# Altium PCB Pannel3.5x2 Ver0.1.PcbDoc (part 4 of 4)
Units mil, origin at the board's own origin, x right, y up, seen from the top; angles counter-clockwise.
Board outline 4133.86 x 2283.46 mil, 4 copper layers (SIGNAL, GROUND, PWR, SIGNAL (Bottom)), stack 61.627 mil thick; 218 components, 165 nets, 799 pads, 640 vias.
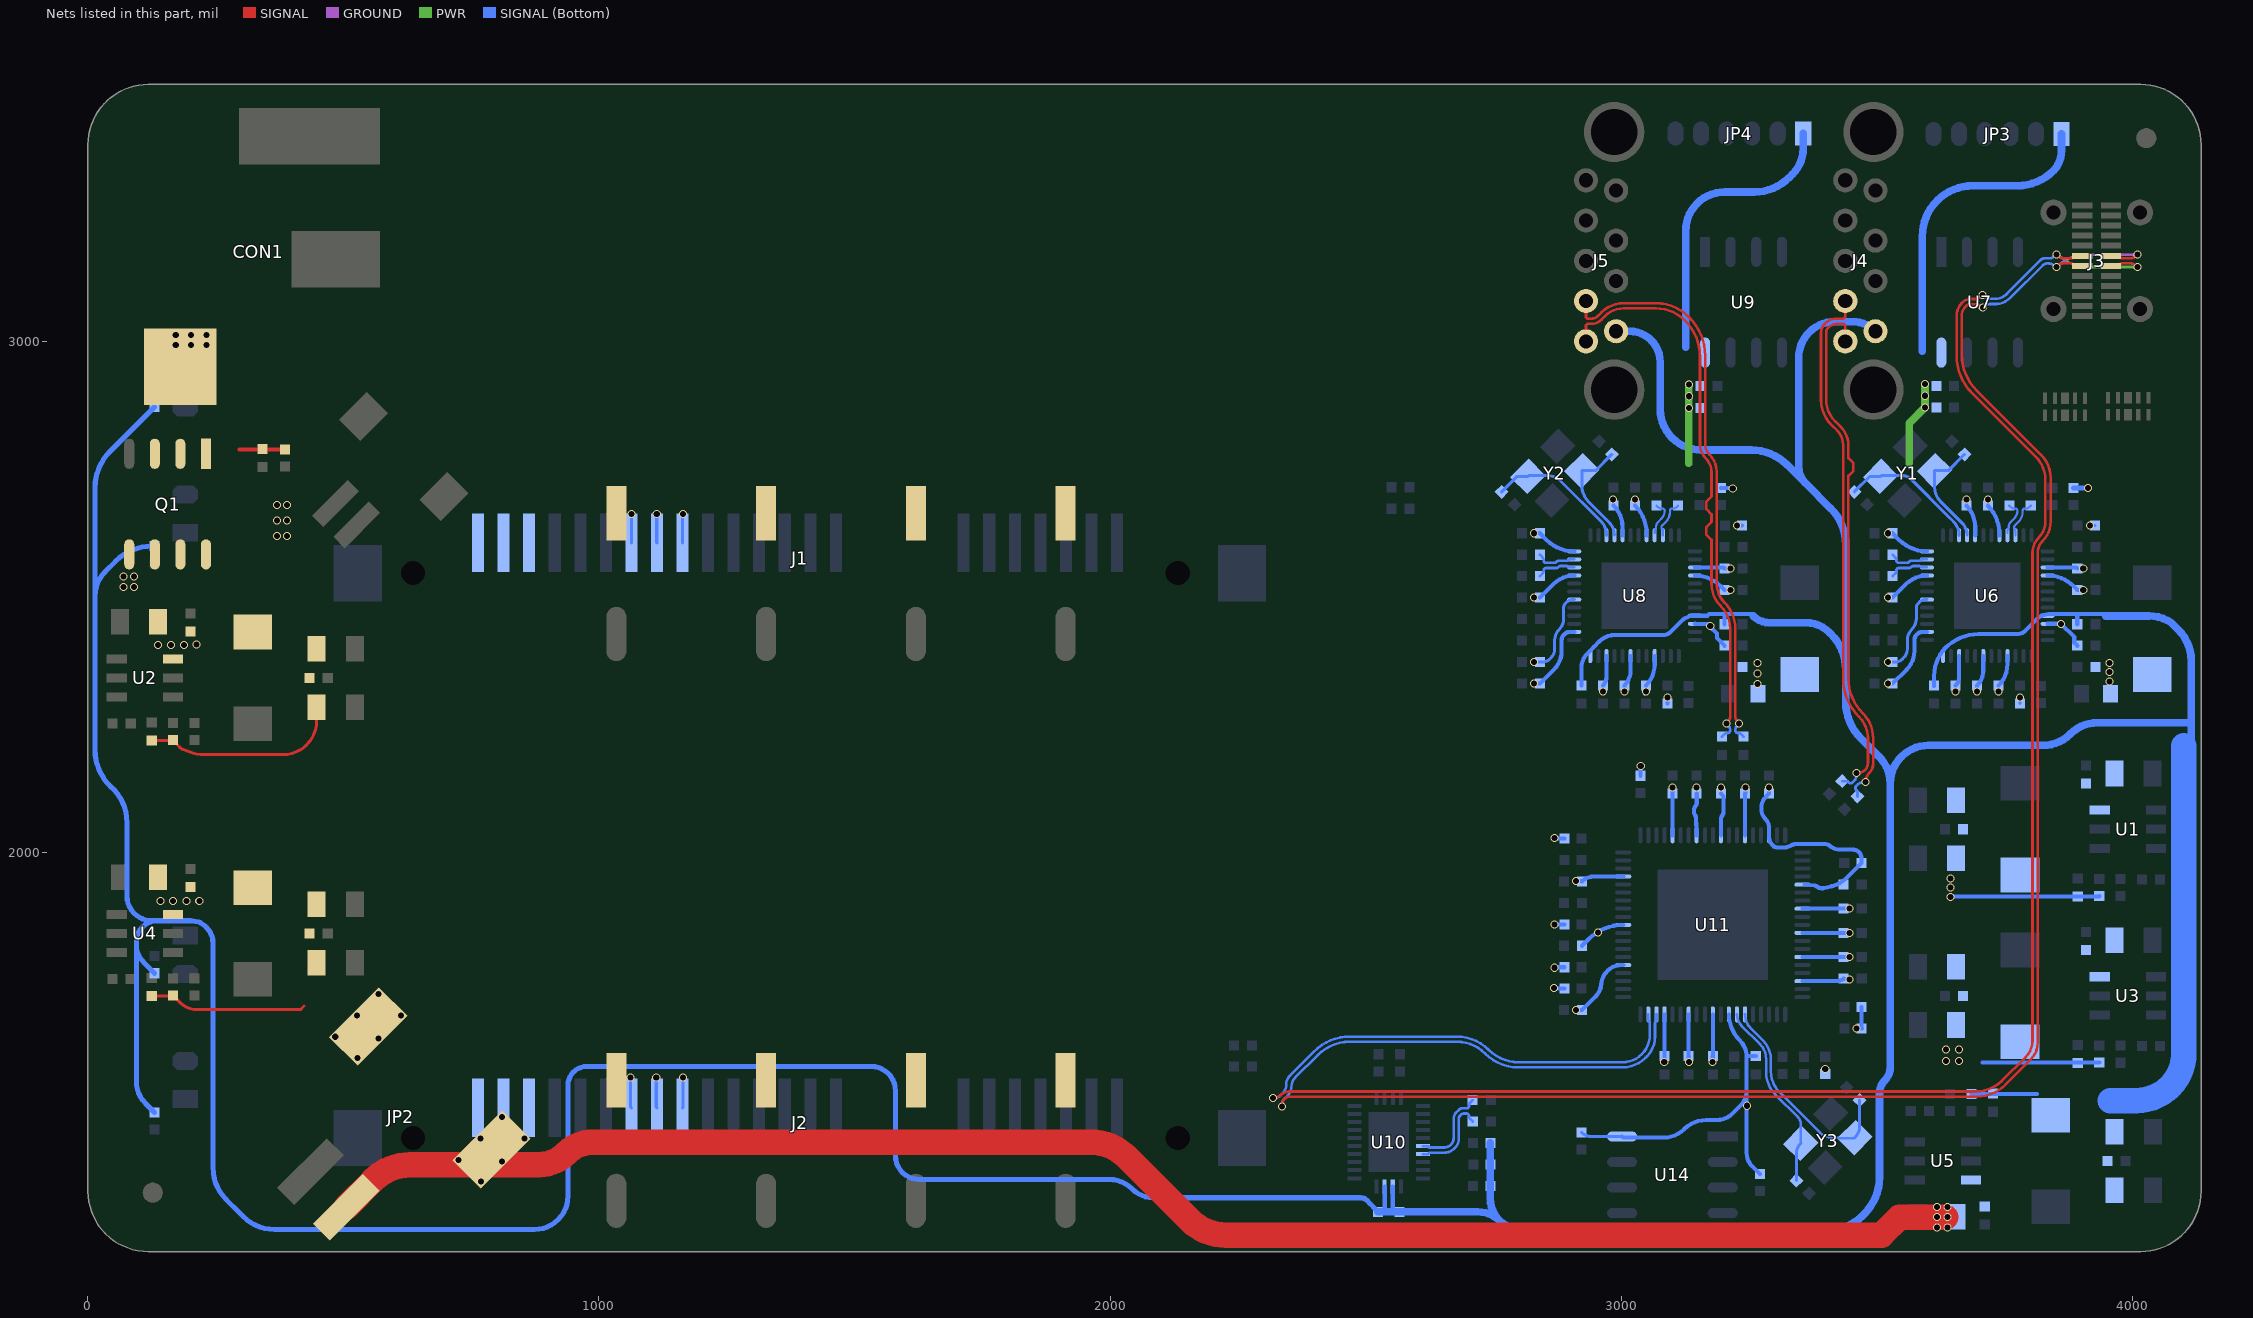
[diagram p6: the nets of this part, all layers, seen from the top]

## Via types
v1: diameter 15.75, hole 11.81, SIGNAL to SIGNAL (Bottom), tented both sides, 640 vias

## Nets (pads, with @x,y where several pads share a name; then routed paths per layer and width w, separated by ;. In a path a pad name is that pad's centre, name@x,y a point inside that pad or via, vN(x,y) a via of type N, cw(c..) or ccw(c..) an arc to the next point about the centre after c; other vN are vias at no path point) (continued)
SSTX1_N: C93.1 U8.22 | length 78.1
  SIGNAL (Bottom) w5.1: C93.1@2840.72,2541 2845.5,2545.78 ccw(c2839.42,2551.85) 2848.01,2551.85 cw(c2853.11,2551.85) 2849.51,2555.46 cw(c2853.11,2551.85) 2853.11,2556.95 2872.26,2556.95 ccw(c2872.26,2563.77) 2877.08,2558.95 cw(c2881.9,2554.13) 2881.9,2560.94 2892.48,2560.94 cw(c2892.48,2556.12) 2895.88,2559.53 ccw(c2899.29,2562.94) 2899.29,2558.12 U8.22@2907.89,2558.12
SSTX1_P: C92.1 U8.23 | length 78.1
  SIGNAL (Bottom) w5.1: C92.1@2840.72,2583 2845.5,2578.22 cw(c2839.42,2572.15) 2848.01,2572.15 ccw(c2853.11,2572.15) 2849.51,2568.54 ccw(c2853.11,2572.15) 2853.11,2567.05 2868.08,2567.05 ccw(c2868.08,2573.87) 2872.9,2569.05 cw(c2877.72,2564.23) 2877.72,2571.04 2892.48,2571.04 ccw(c2892.48,2575.86) 2895.88,2572.45 cw(c2899.29,2569.05) 2899.29,2573.87 U8.23@2907.89,2573.87
SSTX2_N: C97.1 J5.8 | length 1103.4
  SIGNAL w5.1: J5.8@2930.9,3079.3 2930.9,3047.94 2933.89,3044.95 2941.44,3044.95 ccw(c2941.44,3063.18) 2954.31,3050.28 2961.24,3057.21 cw(c3004.53,3013.8) 3004.53,3075.1 3067.55,3075.1 cw(c3067.55,2984.48) 3131.62,3048.56 3132.89,3047.3 cw(c3057.77,2972.18) 3132.92,3047.26 cw(c3057.77,2972.18) 3164,2972.18 3164,2799.19 ccw(c3192.75,2799.19) 3172.4,2778.88 ; 3172.42,2778.86 cw(c3138.24,2744.68) 3186.58,2744.68 3186.58,2526.48 ccw(c3239.14,2526.48) 3201.96,2489.33 ; 3201.98,2489.31 cw(c3151.1,2438.43) 3223.05,2438.43 3223.05,2266.37 ccw(c3235.26,2266.37) 3226.63,2257.73 v1@3229.39,2254.97 ; v1@3229.39,2254.97 cw(c3227.41,2253) v1(3230.2,2253)
  SIGNAL (Bottom) w5.1: v1@3226.63,2248.27 ccw(c3235.26,2239.63) 3223.05,2239.63 3223.05,2239.39 ccw(c3228.15,2239.39) 3224.54,2235.79 ccw(c3228.15,2239.39) 3228.15,2234.29 3228.87,2234.29 cw(c3228.87,2227.45) 3233.7,2232.3 C97.1@3239,2227
SSTX2_P: C96.1 J5.9 | length 1103.9
  SIGNAL w5.1: J5.9@2930.9,3000.5 2930.9,3031.86 2933.89,3034.85 2941.49,3034.85 ccw(c2941.49,3063.05) 2961.43,3043.11 2968.24,3049.93 cw(c3004.64,3013.53) 3004.64,3065 3067.37,3065 cw(c3067.37,2984.05) 3124.61,3041.29 cw(c3053.9,2970.58) 3153.9,2970.58 3153.9,2799.07 ccw(c3192.44,2799.07) 3165.19,2771.81 cw(c3137.93,2744.56) 3176.48,2744.56 3176.48,2712 3176.48,2697 3166.48,2687 3166.48,2672 3176.48,2662 3176.48,2647 3166.48,2637 3166.48,2622 3176.48,2612 3176.48,2552 3176.48,2526.31 ccw(c3238.74,2526.31) 3194.69,2482.31 ; 3194.74,2482.26 cw(c3150.69,2438.26) 3212.95,2438.26 3212.95,2266.37 cw(c3200.74,2266.37) 3209.37,2257.73 v1@3206.61,2254.97 ; v1(3205.8,2253) cw(c3208.59,2253) v1@3206.61,2254.97
  SIGNAL (Bottom) w5.1: C96.1@3197,2227 3202.3,2232.3 cw(c3207.13,2227.45) 3207.13,2234.29 3207.85,2234.29 ccw(c3207.85,2239.39) 3211.46,2235.79 ccw(c3207.85,2239.39) 3212.95,2239.39 3212.95,2239.63 ccw(c3200.74,2239.63) v1@3209.37,2248.27
SSTX3_N: C100.1 J4.9 | length 1032.8
  SIGNAL w5.1: 3418.07,2844.21 cw(c3460.16,2886.28) 3400.65,2886.28 3400.65,3017.54 cw(c3413.8,3017.54) 3404.5,3026.83 cw(c3423.85,3007.49) 3423.85,3034.85 3433.08,3034.85 cw(c3433.08,3029.75) 3436.68,3033.36 cw(c3433.08,3029.75) 3438.18,3029.75 J4.9@3438.18,3000.5 ; 3418.08,2844.2 3429.65,2832.64 cw(c3394.76,2797.75) 3444.1,2797.75 3444.1,2787 3444.1,2772 3454.1,2762 3454.1,2747 3444.1,2737 3444.1,2679.5 3444.1,2340.89 ccw(c3539.97,2340.89) 3472.18,2273.1 cw(c3422.63,2223.56) 3492.7,2223.56 3492.7,2174.76 cw(c3465.67,2174.76) 3484.83,2155.69 cw(c3465.67,2174.76) 3484.78,2155.64 ccw(c3500.08,2140.34) 3478.45,2140.34 cw(c3475.66,2140.34) v1(3477.63,2138.37)
  SIGNAL (Bottom) w5.1: 3459.97,2122.45 cw(c3454.95,2117.43) 3462.05,2117.43 C100.1@3462.05,2110.05 ; 3459.97,2122.45 3459.39,2123.03 cw(c3462.99,2126.64) 3457.89,2126.64 cw(c3462.99,2126.64) 3459.39,2130.25 3463.12,2133.97 cw(c3471.75,2125.34) v1@3471.75,2137.55
SSTX3_P: C98.1 J4.8 | length 1032.6
  SIGNAL w5.1: 3397.32,3033.93 ccw(c3413.7,3017.58) 3390.55,3017.65 ccw(c3413.7,3017.58) 3390.55,3017.58 3390.55,2886.21 ccw(c3459.99,2886.21) 3410.89,2837.11 3422.45,2825.55 cw(c3394.55,2797.66) 3434,2797.66 3434,2340.84 ccw(c3539.84,2340.84) 3464.97,2266.03 ; 3397.33,3033.95 3398.84,3035.46 cw(c3421.76,3012.54) 3421.76,3044.95 3433.08,3044.95 ccw(c3433.08,3050.05) 3436.68,3046.44 ccw(c3433.08,3050.05) 3438.18,3050.05 J4.8@3438.18,3079.3 ; v1(3460.37,2155.63) cw(c3462.34,2153.66) 3462.34,2156.45 3463.32,2156.45 ccw(c3463.32,2175.73) 3476.92,2162.06 ccw(c3463.32,2175.73) 3476.95,2162.1 ; 3465,2266 cw(c3422.5,2223.5) 3482.6,2223.5 3482.6,2175.73 cw(c3463.32,2175.73) 3476.99,2162.13
  SIGNAL (Bottom) w5.1: C98.1@3432.05,2140.05 3439.43,2140.05 cw(c3439.43,2132.95) 3444.45,2137.97 ; 3444.45,2137.97 3445.04,2137.38 ccw(c3448.64,2140.99) 3448.64,2135.89 ccw(c3448.64,2140.99) 3452.24,2137.38 3455.98,2141.12 ccw(c3447.34,2149.75) v1@3459.55,2149.75
SSTX4_N: C99.1 U6.22 | length 78.1
  SIGNAL (Bottom) w5.1: C99.1@3530.72,2541 3535.5,2545.78 ccw(c3529.42,2551.85) 3538.01,2551.85 cw(c3543.11,2551.85) 3539.51,2555.46 cw(c3543.11,2551.85) 3543.11,2556.95 3562.26,2556.95 ccw(c3562.26,2563.77) 3567.08,2558.95 cw(c3571.9,2554.13) 3571.9,2560.94 3582.48,2560.94 cw(c3582.48,2556.12) 3585.88,2559.53 ccw(c3589.29,2562.94) 3589.29,2558.12 U6.22@3597.89,2558.12
SSTX4_P: C101.1 U6.23 | length 78.1
  SIGNAL (Bottom) w5.1: C101.1@3530.72,2583 3535.5,2578.22 cw(c3529.42,2572.15) 3538.01,2572.15 ccw(c3543.11,2572.15) 3539.51,2568.54 ccw(c3543.11,2572.15) 3543.11,2567.05 3558.08,2567.05 ccw(c3558.08,2573.87) 3562.9,2569.05 cw(c3567.72,2564.23) 3567.72,2571.04 3582.48,2571.04 ccw(c3582.48,2575.86) 3585.88,2572.45 cw(c3589.29,2569.05) 3589.29,2573.87 U6.23@3597.89,2573.87
SSTX_N: C95.1 U10.21 | length 167.3
  SIGNAL (Bottom) w5.1: U10.21@2611.93,1410.37 2621.77,1410.37 2624.6,1413.19 2653.29,1413.19 ccw(c2653.29,1441.97) 2673.64,1421.62 2673.72,1421.7 ccw(c2653.44,1441.98) 2682.12,1441.98 2682.12,1479.98 cw(c2689.13,1479.98) 2684.17,1484.93 2686.67,1487.43 ; 2686.68,1487.44 cw(c2692.69,1481.4) 2692.69,1489.92 2697.02,1489.92 cw(c2697.02,1484.82) 2700.62,1488.43 cw(c2697.02,1484.82) 2702.12,1484.82 ccw(c2710.64,1484.82) 2704.6,1478.8 C95.1@2709.41,1474
SSTX_P: C94.1 U10.20 | length 167.1
  SIGNAL (Bottom) w5.1: U10.20@2611.93,1426.12 2621.77,1426.12 2624.6,1423.29 2653.26,1423.29 ccw(c2653.26,1442.06) 2666.52,1428.79 ccw(c2653.26,1442.06) 2672.02,1442.06 2672.02,1479.98 cw(c2689.13,1479.98) 2672.02,1480.04 cw(c2689.13,1479.98) 2676.99,1492.03 cw(c2689.13,1479.98) 2677.03,1492.07 ; 2677.03,1492.08 2682.04,1497.09 ; 2682.48,1497.53 cw(c2688.51,1491.51) 2688.51,1500.02 2697.02,1500.02 ccw(c2697.02,1505.12) 2700.62,1501.52 ccw(c2697.02,1505.12) 2702.12,1505.12 cw(c2711.07,1505.12) 2704.74,1511.46 C94.1@2709.28,1516
TX1_N: C39.2 U8.33 | length 70.1
  SIGNAL (Bottom) w4.29: U8.33@3065.37,2625.55 3065.37,2629.99 cw(c3070.03,2629.99) 3066.73,2633.29 ccw(c3063.44,2636.58) 3068.1,2636.58 3068.1,2638.86 cw(c3078.27,2638.86) 3071.07,2646.05 ; C39.2@3069,2679 C39.2@3071.87,2676.13 ; 3071.08,2646.05 3078.3,2653.27 ; C39.2@3071.88,2676.12 ccw(c3078.47,2682.73) 3078.47,2673.39 3080.56,2673.39 cw(c3080.56,2669.1) 3083.6,2672.14 cw(c3080.56,2669.1) 3084.86,2669.1 cw(c3062.47,2669.1) 3078.31,2653.29
TX1_P: C37.2 U8.34 | length 74.3
  SIGNAL (Bottom) w4.29: U8.34@3081.12,2621.29 3081.12,2629.99 ccw(c3076.46,2629.99) 3079.75,2633.29 cw(c3083.05,2636.58) 3078.39,2636.58 3078.39,2636.73 cw(c3083.41,2636.73) 3079.85,2640.28 3086.77,2647.19 ccw(c3066.54,2667.42) 3095.14,2667.42 3095.14,2669.1 cw(c3099.44,2669.1) 3096.4,2672.14 cw(c3099.44,2669.1) 3099.44,2673.39 3101.53,2673.39 ccw(c3101.53,2682.73) C37.2@3108.12,2676.12 ; C37.2@3108.13,2676.13 C37.2@3111,2679
TX2_N: C40.2 U6.33 | length 70.1
  SIGNAL (Bottom) w4.29: U6.33@3755.37,2625.55 3755.37,2629.99 cw(c3760.03,2629.99) 3756.73,2633.29 ccw(c3753.44,2636.58) 3758.1,2636.58 3758.1,2638.86 cw(c3768.27,2638.86) 3761.07,2646.05 ; C40.2@3759,2679 C40.2@3761.87,2676.13 ; 3761.08,2646.05 3768.3,2653.27 ; C40.2@3761.88,2676.12 ccw(c3768.47,2682.73) 3768.47,2673.39 3770.56,2673.39 cw(c3770.56,2669.1) 3773.6,2672.14 cw(c3770.56,2669.1) 3774.86,2669.1 cw(c3752.47,2669.1) 3768.31,2653.29
TX2_P: C38.2 U6.34 | length 74.3
  SIGNAL (Bottom) w4.29: U6.34@3771.12,2621.29 3771.12,2629.99 ccw(c3766.46,2629.99) 3769.75,2633.29 cw(c3773.05,2636.58) 3768.39,2636.58 3768.39,2636.73 cw(c3773.41,2636.73) 3769.85,2640.28 3776.77,2647.19 ccw(c3756.54,2667.42) 3785.14,2667.42 3785.14,2669.1 cw(c3789.44,2669.1) 3786.4,2672.14 cw(c3789.44,2669.1) 3789.44,2673.39 3791.53,2673.39 ccw(c3791.53,2682.73) C38.2@3798.12,2676.12 ; C38.2@3798.13,2676.13 C38.2@3801,2679
USBD_N: J3.A7 J3.B7 U11.56 | length 4405.8
  SIGNAL w5.1: v1(2318.21,1520.25) cw(c2320.18,1518.27) 2320.18,1521.07 2320.73,1521.07 ccw(c2320.73,1541.37) 2335.07,1526.99 ; 2335.09,1527.01 cw(c2349.44,1512.66) 2349.44,1532.96 3694,1532.96 ccw(c3694,1604.6) 3744.66,1553.94 3791.32,1600.6 ccw(c3759.66,1632.26) 3804.43,1632.26 3804.43,2586.55 cw(c3847.6,2586.55) 3804.43,2586.64 cw(c3847.6,2586.55) 3817.04,2617.04 ccw(c3786.55,2647.6) 3829.72,2647.6 3829.72,2729.44 ccw(c3766.44,2729.44) 3811.18,2774.18 3686.62,2898.75 cw(c3760.77,2972.91) 3655.9,2972.91 3655.9,3049.64 cw(c3693.42,3049.64) 3666.89,3076.17 3666.99,3076.27 ; 3667.02,3076.31 cw(c3683.95,3059.32) 3683.95,3083.3 3693.99,3083.3 ccw(c3693.99,3094.05) v1@3701.59,3086.45 ; v1@3856.98,3165.54 ccw(c3864.37,3175.27) 3864.37,3163.06 3879.69,3163.05 ccw(c3879.69,3171.24) 3885.48,3165.45 cw(c3891.27,3159.66) 3891.27,3167.85 J3.B7@3901.65,3167.85 ; J3.A7@3958.34,3148.16 3968.74,3148.16 ccw(c3968.74,3156.34) 3974.52,3150.55 cw(c3980.3,3144.77) 3980.3,3152.95 3996.63,3152.95 cw(c3996.63,3140.74) v1@4005.27,3149.37
  PWR w5.1: v1@3852,3172 ccw(c3915.26,3235.26) 3897.26,3147.63 ccw(c3915.26,3235.26) 3915.26,3145.8 v1(4010,3145.8) ; v1@4010,3146 v1@4012,3146
  SIGNAL (Bottom) w5.1: v1(2318.21,1520.25) cw(c2320.18,1518.27) 2320.18,1521.07 2324.08,1521.07 ccw(c2324.08,1533.28) 2332.72,1524.64 2337.36,1529.29 ccw(c2319.99,1546.67) 2344.56,1546.67 cw(c2369.13,1546.67) 2351.76,1564.04 2399.19,1611.47 cw(c2468.96,1541.7) 2399.27,1611.56 cw(c2468.96,1541.7) 2468.96,1640.37 2678.11,1640.37 cw(c2678.11,1552.2) 2740.44,1614.56 2740.5,1614.5 ccw(c2799.41,1673.41) 2799.41,1590.1 3002.08,1590.1 ccw(c3002.08,1643.87) 3040.1,1605.85 ccw(c3002.08,1643.87) 3055.85,1643.87 3055.85,1666.37 ccw(c3050.98,1666.37) U11.56@3054.42,1669.81 ; U11.56@3053,1683.8 3053,1673.25 ccw(c3057.87,1673.25) U11.56@3054.43,1669.81 ; v1@3711.73,3087.12 ccw(c3720.37,3095.76) 3720.37,3083.54 3729.87,3083.54 ccw(c3729.87,3118.69) 3749.62,3089.62 ccw(c3729.87,3118.69) 3754.72,3093.84 3820.3,3159.42 cw(c3829.08,3150.64) 3829.08,3163.05 3838.41,3163.05 ccw(c3838.41,3173.39) 3845.71,3166.08 v1@3849.03,3169.39 ; v1@3849.03,3169.39 cw(c3851,3167.42) v1(3851,3170.21)
  other v1: 3707,3090.7
USBD_P: J3.A6 J3.B6 U11.55 | length 4412.7
  SIGNAL w5.1: v1@2336.57,1508.1 cw(c2351.33,1508.1) 2340.89,1518.53 cw(c2351.33,1508.1) 2351.33,1522.86 3695.07,1522.86 ccw(c3695.07,1602.01) 3751.02,1546.02 ; v1(3707.13,3066.29) cw(c3707.13,3069.68) 3704.73,3067.28 ccw(c3690.45,3053) 3703.3,3068.58 ccw(c3690.45,3053) 3690.45,3073.2 3684,3073.2 ccw(c3684,3059.19) 3674.09,3069.09 ccw(c3693.63,3049.55) 3666,3049.55 3666,2975 ccw(c3765.83,2975) 3695.23,2904.42 3821.28,2778.37 cw(c3776.54,2733.62) 3839.82,2733.62 3839.82,2647.56 cw(c3786.64,2647.56) 3824.29,2610.01 cw(c3786.64,2647.56) 3824.24,2609.96 ccw(c3847.69,2586.51) 3814.53,2586.51 3814.53,1628.08 cw(c3769.76,1628.08) 3801.42,1596.42 3751.04,1546.04 ; v1@3856.98,3150.47 cw(c3864.37,3140.74) 3864.37,3152.95 3879.69,3152.95 cw(c3879.69,3144.77) 3885.48,3150.56 ccw(c3891.27,3156.35) 3891.27,3148.16 J3.B6@3901.65,3148.16 ; J3.A6@3958.34,3167.84 3968.74,3167.84 cw(c3968.74,3159.66) 3974.52,3165.45 ccw(c3980.3,3171.23) 3980.3,3163.05 3996.63,3163.05 ccw(c3996.63,3175.26) 4005.27,3166.63 v1@4008.03,3169.39 ; v1@4008.03,3169.39 cw(c4010,3167.41) v1(4010,3170.2)
  GROUND w5.1: v1@3850,3145 cw(c3910.85,3084.15) 3893.19,3168.37 cw(c3910.85,3084.15) 3910.85,3170.2 v1(4010,3170.2)
  SIGNAL (Bottom) w5.1: v1(2335.75,1503.28) ccw(c2333.77,1505.25) 2336.57,1505.25 2336.57,1509.15 cw(c2348.78,1509.15) 2340.14,1517.78 2347.46,1525.11 ccw(c2330.09,1542.48) 2354.66,1542.48 cw(c2379.23,1542.48) 2361.86,1559.86 2406.3,1604.3 cw(c2469,1541.61) 2469,1630.27 2678.04,1630.27 cw(c2678.04,1552.04) 2733.36,1607.36 ccw(c2799.41,1673.41) 2733.45,1607.26 ccw(c2799.41,1673.41) 2799.27,1580 ccw(c2799.41,1673.41) 2799.41,1580 3002.13,1580 ccw(c3002.13,1643.76) 3047.21,1598.68 3050.2,1601.67 ; 3050.23,1601.7 ccw(c3012.18,1639.69) 3065.95,1639.69 3065.95,1666.37 cw(c3070.82,1666.37) U11.55@3067.38,1669.81 ; U11.55@3067.37,1669.81 ccw(c3063.93,1673.25) 3068.8,1673.25 U11.55@3068.8,1683.8 ; v1@3711.88,3069.88 cw(c3720.5,3061.23) 3719.69,3073.42 cw(c3720.5,3061.23) 3720.5,3073.44 3732.03,3073.44 ccw(c3732.03,3113.48) 3734.99,3073.55 ccw(c3732.03,3113.48) 3760.34,3085.17 3824.49,3149.32 cw(c3833.26,3140.54) 3833.26,3152.95 3834.22,3152.95 cw(c3834.22,3132.52) 3848.67,3146.97 v1@3849.03,3146.62 ; v1@3849.03,3146.62 ccw(c3851,3148.59) v1(3851,3145.8)
VBUS: C5.2 C6.2 C19.2 C20.2 C29.1 C33.2 C34.1 C35.1 C57.2 C58.2 C79.2 C80.2 C89.2 C90.2 J4.1 J5.1 L5.2 R9.1 R12.1 R13.1 R14.1 R15.1 R28.1 R29.1 R34.2 U1.3 U3.3 U6.12 U6.45 U8.12 U8.45 U10.26 U10.27 | length 12004.3
  SIGNAL (Bottom) w8: U10.27@2537.12,1347.38 2537.12,1305.34 2545,1297.46 ; U10.26@2552.87,1347.38 2552.87,1300.09 2555.5,1297.46 ; C80.2@2922,2327 2922,2361.67 cw(c2962.24,2361.67) 2933.76,2390.1 ; 2933.78,2390.12 2945.57,2401.9 2945.98,2402.4 cw(c2955.13,2394.73) 2946.67,2403.15 ; 2946.69,2403.17 2947.15,2403.63 2956.36,2412.84 cw(c2988.13,2381.06) 2988.13,2426 3081.92,2426 ccw(c3081.92,2446.08) 3096.12,2431.88 3117.62,2453.38 cw(c3142.36,2428.64) 3140.26,2463.57 cw(c3142.36,2428.64) 3142.36,2463.63 U8.45@3144.11,2463.63 3168.63,2463.63 3171.78,2466.78 3202,2466.78 ; C79.2@3202,2447 3202,2466.78 ; 3257.98,2466.78 3202,2466.78 ; C58.2@3611.5,2326.5 ccw(c3568.32,2369.68) C58.2@3612,2327 3612,2346.29 cw(c3689.71,2346.29) 3634.76,2401.24 3636.69,2403.17 ; 3636.72,2403.2 cw(c3645.13,2394.73) 3637.3,2403.74 3639.37,2405.54 cw(c3698.46,2337.54) 3698.46,2427.63 3773.91,2427.63 ccw(c3773.91,2451.09) 3790.49,2434.49 3813.5,2457.5 cw(c3835.91,2435.09) 3822.13,2463.63 cw(c3835.91,2435.09) 3835.91,2466.78 3891,2466.78 ; R9.1@3685,1527.73 3813.27,1527.73 ; C57.2@3892,2447 3892,2465.78 3891,2466.78 ; 3947.98,2466.78 3891,2466.78
  SIGNAL (Bottom) w10: 95,1812.01 95,1552.51 ccw(c155.8,1552.51) 112.77,1509.55 ; 112.81,1509.52 R13.1@130.61,1491.71 ; R12.1@130.61,1764.25 108.55,1786.31 cw(c141.26,1819.02) 95,1819.02 95,1826.03 cw(c135.97,1826.03) 107,1855 cw(c135.97,1826.03) 135.97,1867 ; R15.1@130.61,2599.71 125.13,2599.71 ccw(c125.13,2499.71) 54.42,2570.42 34.21,2550.21 ccw(c83.01,2501.42) 14,2501.42 ; R14.1@130.61,2872.25 43.29,2784.92 ccw(c114,2714.21) 14,2714.21 14,2501.42 ; 231.97,1854.03 ccw(c200.62,1822.62) 226.64,1858.57 220.9,1862.73 ccw(c215.62,1855.44) 217.68,1864.2 210.78,1865.82 ccw(c200.62,1822.62) 200.62,1867 135.97,1867 ; 232,1854 cw(c200.62,1822.62) 245,1822.62 245,1706.07 245,1383.56 ccw(c333,1383.56) 270.82,1321.3 295.18,1296.93 303.3,1288.82 ccw(c365.56,1351) 365.56,1263 873.94,1263 ccw(c873.94,1328.34) 920.12,1282.12 ; 920.16,1282.16 ccw(c873.94,1328.34) 939.27,1328.34 939.27,1544.91 cw(c976.36,1544.91) 950.14,1571.14 cw(c976.36,1544.91) 976.36,1582 1532.2,1582 cw(c1532.2,1534.2) 1566,1568 cw(c1532.2,1534.2) 1580,1534.2 1580,1407.2 ccw(c1626.36,1407.2) 1593.58,1374.42 ccw(c1626.36,1407.2) 1626.36,1360.84 1998.81,1360.84 cw(c1998.81,1299.65) 2042.06,1342.94 ; 2042.08,1342.92 ccw(c2085.35,1386.19) 2085.35,1325 2489.79,1325 cw(c2489.79,1306.92) 2502.57,1319.71 cw(c2490,1307) 2502.61,1319.66 cw(c2490,1307) 2502.66,1319.61 cw(c2490,1307) 2502.94,1319.33 2507.87,1314.15 2519.16,1302.31 C90.2@2524,1297.46 ; 14,2501.42 14,2201.42 ccw(c114,2201.42) 43.29,2130.71 cw(c-16.98,2059.23) 76.51,2059.23 76.51,1915.33 ccw(c124.43,1915.33) 90.55,1881.45 ccw(c125.44,1916.34) 125.44,1867 135.97,1867
  SIGNAL (Bottom) w15: C90.2@2524,1297.46 2545,1297.46 2555.5,1297.46 C89.2@2566,1297.46 2719.15,1297.46 cw(c2719.15,1236.18) 2762.43,1279.57 ccw(c2807.79,1324.87) 2807.79,1260.76 2809.42,1260.76 ; R29.1@2743.73,1432 R34.2@2743.73,1348 2743.73,1323.13 ccw(c2803.76,1323.13) 2761.32,1280.68 ccw(c2809.42,1328.79) 2761.35,1280.65 ccw(c2809.42,1328.79) 2809.42,1260.76 ; J5.1@2989.9,3020.2 3015.91,3020.2 cw(c3015.91,2960.11) 3058.4,3002.6 cw(c3015.91,2960.11) 3076,2960.11 3076,2868.23 ccw(c3156.23,2868.23) 3099.48,2811.52 ccw(c3156.23,2868.23) 3156.23,2788 3253.72,2788 cw(c3253.72,2688) 3324.37,2758.77 cw(c3253.72,2688) 3324.43,2758.71 3360.51,2722.63 ; 3258.01,2463.26 ccw(c3290.05,2495.35) 3290.05,2450 3361,2450 cw(c3361,2384.82) 3407.09,2430.91 3409.86,2428.14 cw(c3339.15,2357.43) 3439.15,2357.43 ; J4.1@3497.18,3020.2 ccw(c3451.79,2974.81) 3473.42,3035.25 ccw(c3451.79,2974.81) 3451.79,3039 3417.52,3039 ccw(c3417.52,2968.48) 3367.67,3018.36 ccw(c3417.52,2968.48) 3347,2968.48 3347,2755.34 ccw(c3393.34,2755.34) 3360.51,2722.63 ; 3515.55,1554.82 ccw(c3541.12,1529.3) 3505,1529.3 3505,1364.34 cw(c3405,1364.34) 3475.71,1293.63 3472.13,1290.05 cw(c3401.42,1360.76) 3401.42,1260.76 2809.42,1260.76 ; 3515.61,1554.87 ccw(c3490.04,1580.39) 3526.16,1580.39 3526.16,2135.16 ; 3947.98,2463.28 4032.38,2463.28 cw(c4032.38,2385.2) 4076.13,2449.87 4089.54,2436.46 cw(c4028.06,2374.99) 4115,2374.99 4115,2257 ; 4100.65,2209 4115,2223.35 4115,2257 ; 3360.51,2722.63 3409.86,2673.29 cw(c3339.15,2602.58) 3439.15,2602.58 3439.15,2357.43 ; 3439.15,2357.43 3439.15,2294.6 ccw(c3539.15,2294.6) 3468.44,2223.89 3504.13,2188.19 cw(c3450.93,2135) 3526.16,2135.16 ; 3526.16,2135.16 cw(c3601,2135.16) 3548.08,2188.08 cw(c3601,2135.16) 3601,2210 3824.62,2210 ccw(c3824.62,2285.75) 3878.19,2232.19 cw(c3931.75,2178.62) 3931.75,2254.38 4112.38,2254.38 4115,2257
  SIGNAL (Bottom) w50: 3956.56,1515 4007.35,1515 ccw(c4007.35,1608.3) 4073.33,1542.33 ccw(c4007.35,1608.3) 4100.65,1608.3 4100.65,2209
VCC1.05V-VL822: C1.1 C9.2 C11.1 C12.1 C109.2 C110.2 C111.2 C112.2 C113.2 C114.2 C115.2 C116.2 C117.2 C118.2 C119.2 C120.2 L1.2 R1.1 U11.5 U11.8 U11.11 U11.14 U11.27 U11.30 U11.33 U11.36 U11.48 U11.51 U11.54 U11.67 | length 1402.7
  SIGNAL (Bottom) w8: 2933.36,1828.36 C119.2@2923,1818 2935.86,1830.86 cw(c3003.8,1762.91) U11.67@3003.8,1859 ; v1(3084,1590.28) 3084.25,1590.53 3084.25,1601.75 C112.2@3084.5,1602 U11.54@3084.5,1683.8 ; U11.5@3100.3,2034.2 C116.2@3100.3,2116 v1(3100.3,2127.72) ; U11.51@3131.8,1683.8 C117.2@3131.8,1602 3131.9,1601.9 3131.9,1590.38 v1(3132,1590.28) ; U11.8@3147.5,2034.2 3145.86,2069.17 ccw(c3137.86,2068.8) 3144.61,2073.1 cw(c3158.95,2082) 3145.76,2092.53 ccw(c3139.5,2097.51) 3147.5,2097.51 C109.2@3147.5,2116 ; v1(3178.75,1590.28) 3178.88,1590.41 3178.88,1601.88 C110.2@3179,1602 U11.48@3179,1683.8 ; U11.11@3194.7,2034.2 3194.7,2062.79 cw(c3216.21,2062.79) 3196.04,2070.26 cw(c3203.53,2067.45) 3197.02,2072.1 ccw(c3183.35,2082) 3200.23,2082.16 3200.08,2110.16 C120.2@3194.7,2116 ; U11.14@3242,2034.2 C111.2@3242,2116 ccw(c3239.59,2118.41) 3243,2118.41 v1(3243,2127.72) ; U11.36@3354.2,1748.8 3422.45,1748.8 ccw(c3422.45,1766.55) C115.2@3435,1754 3436.04,1752.96 3445.68,1752.96 v1(3446.72,1751.93) ; U11.33@3354.2,1796 C118.2@3435,1796 v1(3446.72,1796) ; U11.30@3354.2,1843.3 C113.2@3435,1843.3 3435.15,1843.15 3446.57,1843.15 v1(3446.72,1843) ; U11.27@3354.2,1890.5 C114.2@3435,1890.5 3435.25,1890.75 3446.47,1890.75 v1(3446.72,1891) ; v1@3650.72,1914.28 C9.2@3893,1914.28 3893.49,1914.78 3934.51,1914.78 R1.1@3935,1915.27